# Altium PCB ALCT_MEZ_SPARTAN6T.PcbDoc (part 11 of 12) (continued)
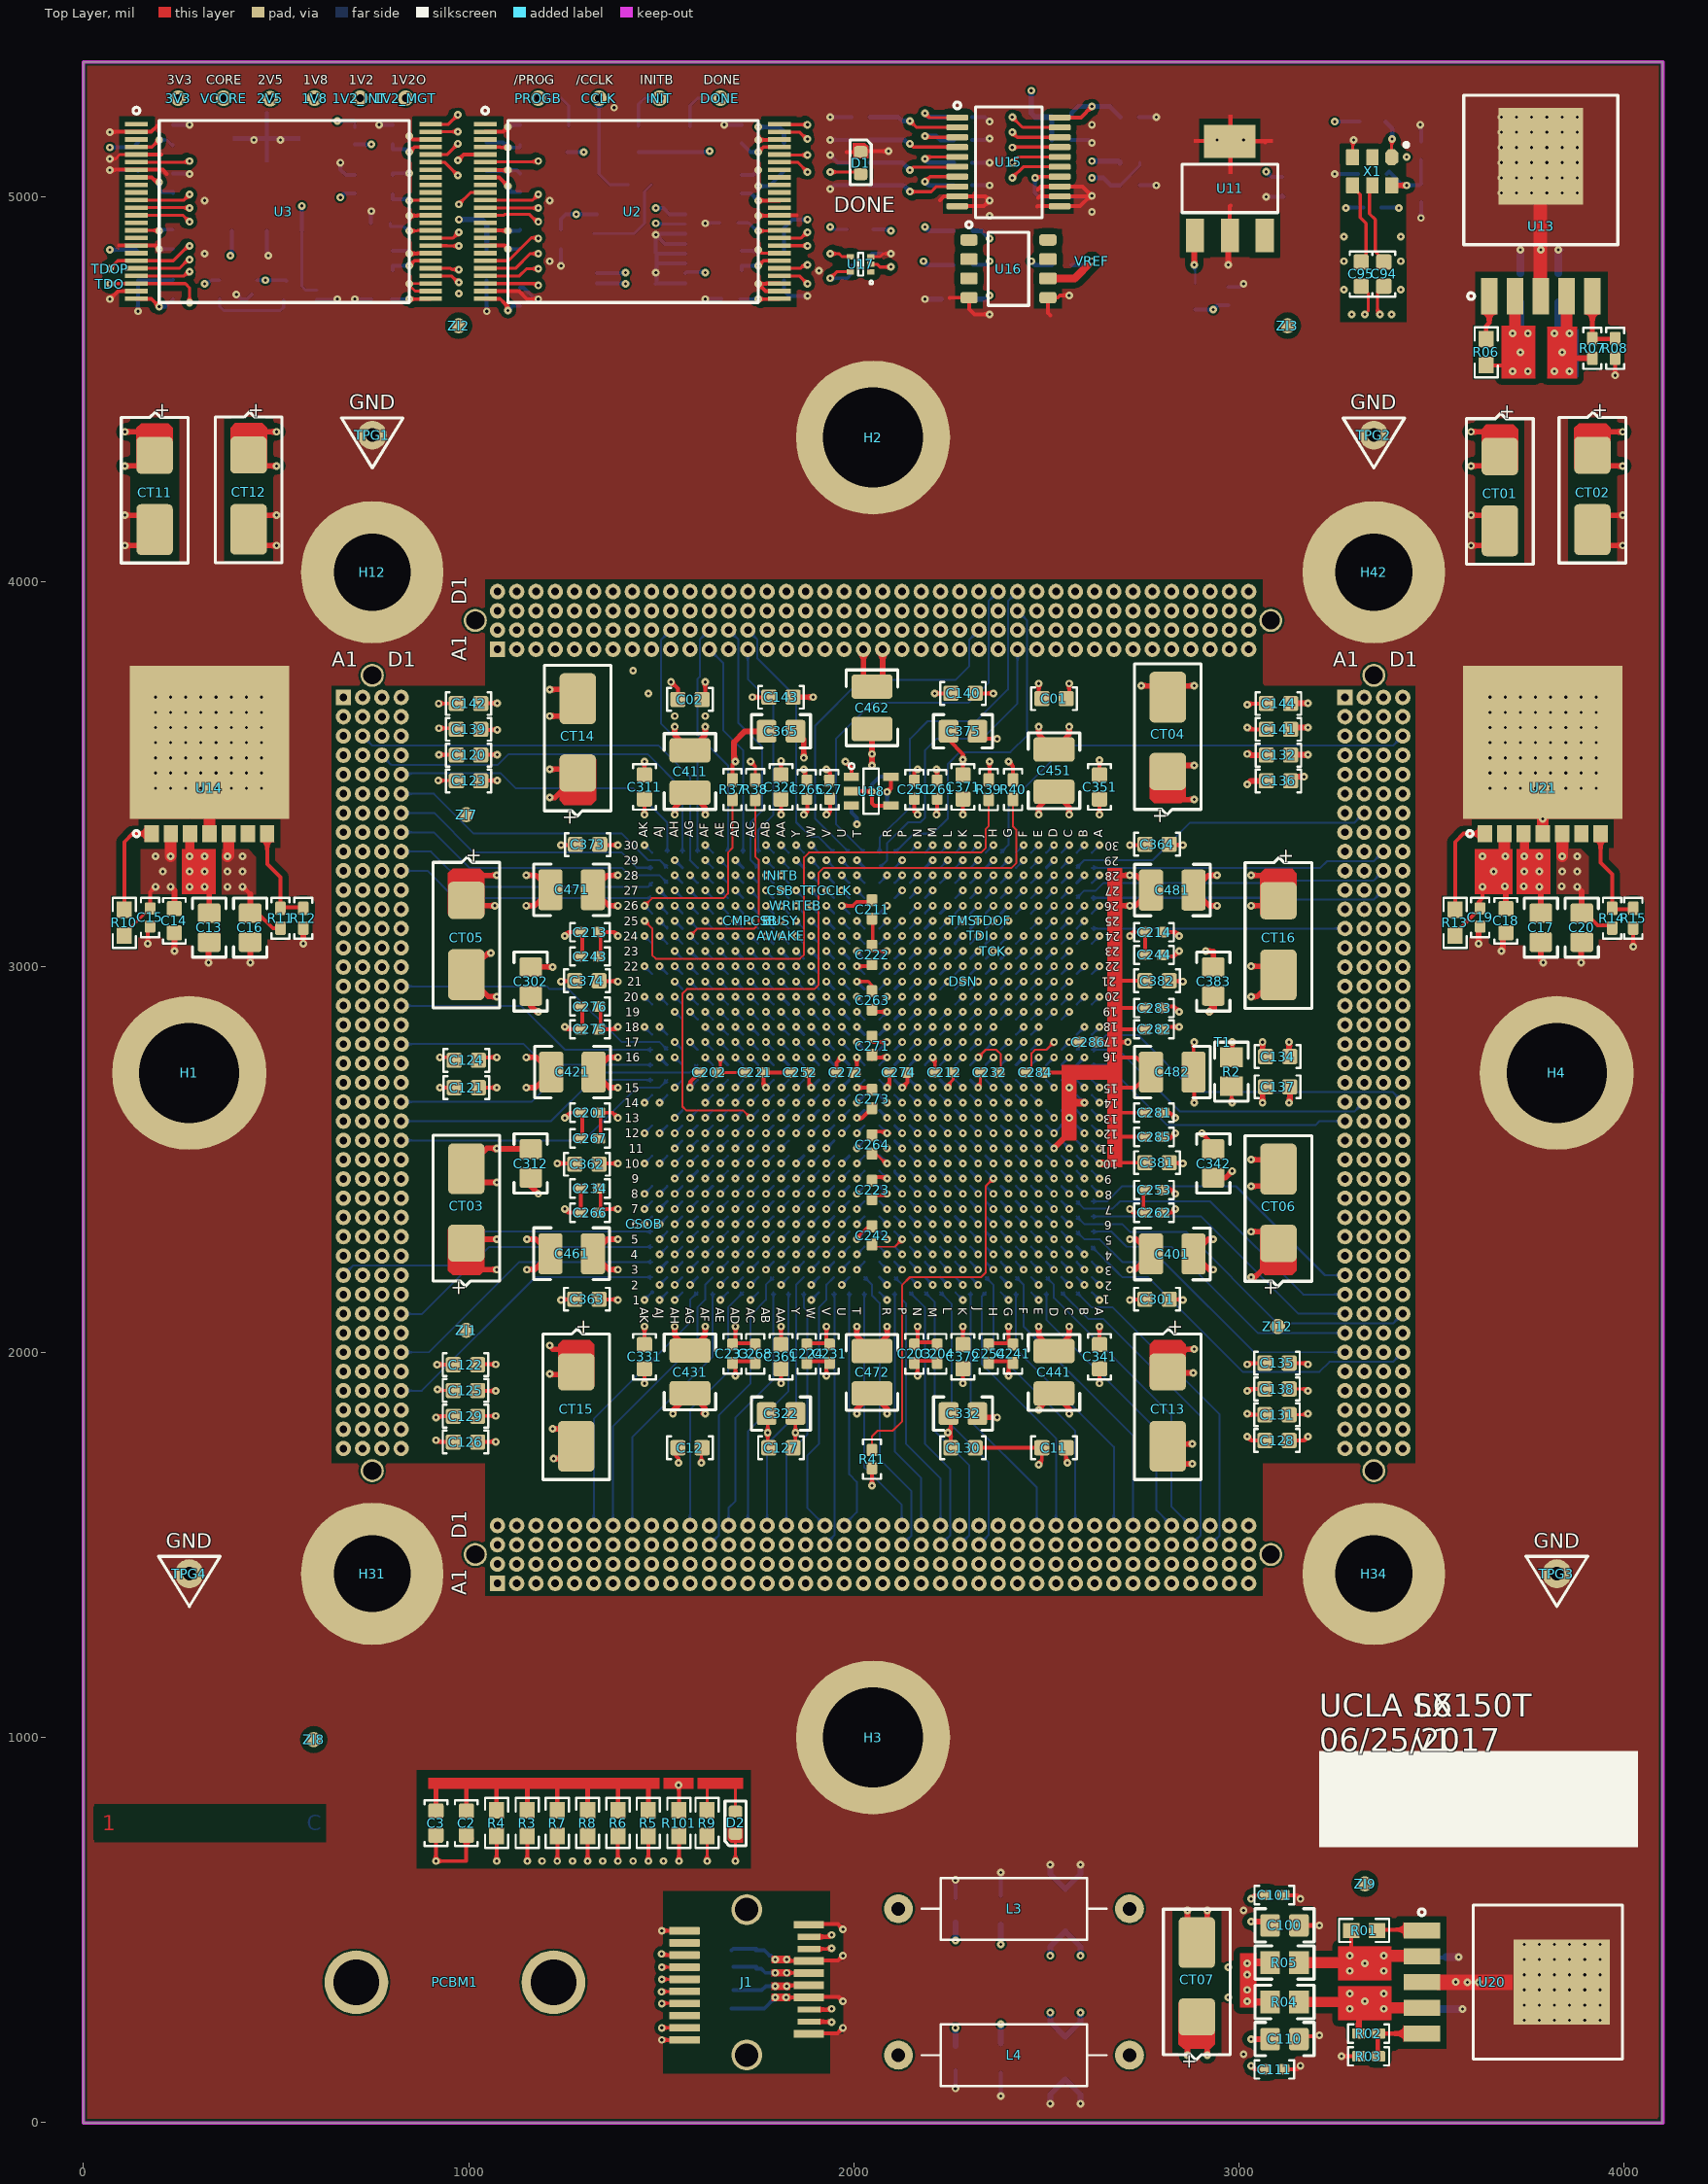
[diagram p0: Top Layer view]
## Nets (pads, with @x,y where several pads share a name; then routed paths per layer and width w, separated by ;. In a path a pad name is that pad's centre, name@x,y a point inside that pad or via, vN(x,y) a via of type N, cw(c..) or ccw(c..) an arc to the next point about the centre after c; other vN are vias at no path point) (continued)
XP4D_9: U1.G27 XP4.D9 | length 1276.2
  Mid-Layer 7 w5: v1(2401.58,3198.81) 2421.08,3179.31 3120.26,3179.31 3215.44,3274.5 3399.5,3274.5 XP4.D9@3425,3300 ; XP4.D9@3411.5,3300 cw(c3378.91,3300) 3401.95,3276.95 ; XP4.D9@3411.5,3300 cw(c3378.91,3300) 3401.96,3276.96 ; XP4.D9@3416.5,3300 cw(c3395.98,3300) 3410.49,3285.49 ; XP4.D9@3416.5,3300 cw(c3395.98,3300) 3410.49,3285.49 ; XP4.D9@3425,3286.5 ccw(c3425,3253.91) 3401.95,3276.95 ; XP4.D9@3425,3291.5 ccw(c3425,3270.98) 3410.49,3285.49 ; XP4.D9@3425,3286.5 ccw(c3425,3253.91) 3401.96,3276.96 ; XP4.D9@3425,3291.5 ccw(c3425,3270.98) 3410.49,3285.49
  Bottom Layer w6: U1.G27@2381.89,3179.13 v1(2401.58,3198.81)
XP4D_10: U1.F26 XP4.D10 | length 1232.6
  Mid-Layer 5 w5: v1(2440.94,3159.45) 2460.63,3139.76 3041.34,3139.76 3126.58,3225 3400,3225 XP4.D10@3425,3250 ; XP4.D10@3411.5,3250 cw(c3378.91,3250) 3401.95,3226.95 ; XP4.D10@3411.5,3250 cw(c3378.91,3250) 3401.96,3226.96 ; XP4.D10@3416.5,3250 cw(c3395.98,3250) 3410.49,3235.49 ; XP4.D10@3416.5,3250 cw(c3395.98,3250) 3410.49,3235.49 ; XP4.D10@3425,3236.5 ccw(c3425,3203.91) 3401.95,3226.95 ; XP4.D10@3425,3241.5 ccw(c3425,3220.98) 3410.49,3235.49 ; XP4.D10@3425,3236.5 ccw(c3425,3203.91) 3401.96,3226.96 ; XP4.D10@3425,3241.5 ccw(c3425,3220.98) 3410.49,3235.49
  Bottom Layer w6: U1.F26@2421.26,3139.76 v1(2440.94,3159.45)
XP4D_11: U1.D25 XP4.D11 | length 1149.4
  Mid-Layer 5 w5: v1(2519.69,3120.06) 2539.36,3100.39 3129.92,3100.39 3204.53,3175 3400,3175 XP4.D11@3425,3200 ; XP4.D11@3411.5,3200 cw(c3378.91,3200) 3401.95,3176.95 ; XP4.D11@3411.5,3200 cw(c3378.91,3200) 3401.96,3176.96 ; XP4.D11@3416.5,3200 cw(c3395.98,3200) 3410.49,3185.49 ; XP4.D11@3416.5,3200 cw(c3395.98,3200) 3410.49,3185.49 ; XP4.D11@3425,3186.5 ccw(c3425,3153.91) 3401.95,3176.95 ; XP4.D11@3425,3191.5 ccw(c3425,3170.98) 3410.49,3185.49 ; XP4.D11@3425,3186.5 ccw(c3425,3153.91) 3401.96,3176.96 ; XP4.D11@3425,3191.5 ccw(c3425,3170.98) 3410.49,3185.49
  Bottom Layer w6: U1.D25@2500,3100.39 v1(2519.69,3120.06)
XP4D_12: U1.C26 XP4.D12 | length 1198.3
  Mid-Layer 4 w5: v1(2559.06,3159.45) 2578.93,3139.58 2578.93,3128.16 2578.93,3072.62 2590.35,3061.2 3121.43,3061.2 3235.24,3175 3400,3175 XP4.D12@3425,3150 XP4.D12@3425.2,3149.8 ; XP4.D12@3411.5,3150 ccw(c3378.91,3150) 3401.95,3173.05 ccw(c3425,3196.09) XP4.D12@3425,3163.5 ; XP4.D12@3411.5,3150 ccw(c3378.91,3150) 3401.96,3173.04 ccw(c3425,3196.09) XP4.D12@3425,3163.5 ; XP4.D12@3416.5,3150 ccw(c3395.98,3150) 3410.49,3164.51 ; XP4.D12@3416.5,3150 ccw(c3395.98,3150) 3410.49,3164.51 ; XP4.D12@3425,3158.5 cw(c3425,3179.02) 3410.49,3164.51 ; XP4.D12@3425,3158.5 cw(c3425,3179.02) 3410.49,3164.51
  Bottom Layer w6: U1.C26@2539.38,3139.76 v1(2559.06,3159.45)
XP4D_13: U1.K20 XP4.D13 | length 1488.1
  Mid-Layer 5 w5: v1(2283.47,2923.19) 2263.98,2942.68 2263.98,3010.04 2275.59,3021.65 2332.49,3021.65 2332.68,3021.46 2982.28,3021.46 2982.47,3021.65 3145.47,3021.65 3198.82,3075 3400,3075 XP4.D13@3425,3100 ; XP4.D13@3411.5,3100 cw(c3378.91,3100) 3401.95,3076.95 ; XP4.D13@3411.5,3100 cw(c3378.91,3100) 3401.96,3076.96 ; XP4.D13@3416.5,3100 cw(c3395.98,3100) 3410.49,3085.49 ; XP4.D13@3416.5,3100 cw(c3395.98,3100) 3410.49,3085.49 ; XP4.D13@3425,3086.5 ccw(c3425,3053.91) 3401.95,3076.95 ; XP4.D13@3425,3091.5 ccw(c3425,3070.98) 3410.49,3085.49 ; XP4.D13@3425,3086.5 ccw(c3425,3053.91) 3401.96,3076.96 ; XP4.D13@3425,3091.5 ccw(c3425,3070.98) 3410.49,3085.49
  Bottom Layer w6: U1.K20@2263.79,2903.51 v1(2283.47,2923.19)
XP4D_14: U1.J19 XP4.D14 | length 1381.8
  Mid-Layer 5 w5: v1(2322.84,2883.84) 2342.34,2903.34 2342.34,2930.9 2354.35,2942.91 3165.94,2942.91 3248.03,3025 3400,3025 XP4.D14@3425,3050 ; XP4.D14@3411.5,3050 cw(c3378.91,3050) 3401.95,3026.95 ; XP4.D14@3411.5,3050 cw(c3378.91,3050) 3401.96,3026.96 ; XP4.D14@3416.5,3050 cw(c3395.98,3050) 3410.49,3035.49 ; XP4.D14@3416.5,3050 cw(c3395.98,3050) 3410.49,3035.49 ; XP4.D14@3425,3036.5 ccw(c3425,3003.91) 3401.95,3026.95 ; XP4.D14@3425,3041.5 ccw(c3425,3020.98) 3410.49,3035.49 ; XP4.D14@3425,3036.5 ccw(c3425,3003.91) 3401.96,3026.96 ; XP4.D14@3425,3041.5 ccw(c3425,3020.98) 3410.49,3035.49
  Bottom Layer w6: U1.J19@2303.15,2864.17 v1(2322.84,2883.84)
XP4D_15: U1.G19 XP4.D15 | length 1266.2
  Mid-Layer 5 w5: v1(2401.57,2883.84) 2421.28,2903.54 3186.42,2903.54 3257.87,2975 3400,2975 XP4.D15@3425,3000 ; XP4.D15@3411.5,3000 cw(c3378.91,3000) 3401.95,2976.95 ; XP4.D15@3411.5,3000 cw(c3378.91,3000) 3401.96,2976.96 ; XP4.D15@3416.5,3000 cw(c3395.98,3000) 3410.49,2985.49 ; XP4.D15@3416.5,3000 cw(c3395.98,3000) 3410.49,2985.49 ; XP4.D15@3425,2986.5 ccw(c3425,2953.91) 3401.95,2976.95 ; XP4.D15@3425,2991.5 ccw(c3425,2970.98) 3410.49,2985.49 ; XP4.D15@3425,2986.5 ccw(c3425,2953.91) 3401.96,2976.96 ; XP4.D15@3425,2991.5 ccw(c3425,2970.98) 3410.49,2985.49
  Bottom Layer w6: U1.G19@2381.89,2864.17 v1(2401.57,2883.84)
XP4D_16: U1.G21 XP4.D16 | length 1260.2
  Mid-Layer 2 w5: v1(2401.58,2962.6) 2404.11,2962.6 2423.62,2982.1 3130.1,2982.1 3187.2,2925 3400,2925 XP4.D16@3425,2950 ; XP4.D16@3411.5,2950 cw(c3378.91,2950) 3401.95,2926.95 ; XP4.D16@3411.5,2950 cw(c3378.91,2950) 3401.96,2926.96 ; XP4.D16@3416.5,2950 cw(c3395.98,2950) 3410.49,2935.49 ; XP4.D16@3416.5,2950 cw(c3395.98,2950) 3410.49,2935.49 ; XP4.D16@3425,2936.5 ccw(c3425,2903.91) 3401.95,2926.95 ; XP4.D16@3425,2941.5 ccw(c3425,2920.98) 3410.49,2935.49 ; XP4.D16@3425,2936.5 ccw(c3425,2903.91) 3401.96,2926.96 ; XP4.D16@3425,2941.5 ccw(c3425,2920.98) 3410.49,2935.49
  Bottom Layer w6: U1.G21@2381.89,2942.91 v1(2401.58,2962.6)
XP4D_17: U1.H18 XP4.D17 | length 1280.5
  Mid-Layer 5 w5: v1(2362.21,2844.48) 2381.91,2864.17 3218.5,2864.17 3229.33,2875 3400,2875 XP4.D17@3425,2900 ; XP4.D17@3411.5,2900 cw(c3378.91,2900) 3401.95,2876.95 ; XP4.D17@3411.5,2900 cw(c3378.91,2900) 3401.96,2876.96 ; XP4.D17@3416.5,2900 cw(c3395.98,2900) 3410.49,2885.49 ; XP4.D17@3416.5,2900 cw(c3395.98,2900) 3410.49,2885.49 ; XP4.D17@3425,2886.5 ccw(c3425,2853.91) 3401.95,2876.95 ; XP4.D17@3425,2891.5 ccw(c3425,2870.98) 3410.49,2885.49 ; XP4.D17@3425,2886.5 ccw(c3425,2853.91) 3401.96,2876.96 ; XP4.D17@3425,2891.5 ccw(c3425,2870.98) 3410.49,2885.49
  Bottom Layer w6: U1.H18@2342.52,2824.8 v1(2362.21,2844.48)
XP4D_18: U1.K17 XP4.D18 | length 1354.8
  Mid-Layer 5 w5: v1(2283.48,2805.11) 2302.98,2824.61 2606.14,2824.61 2606.33,2824.8 2873.83,2824.8 2874.02,2824.99 3208.15,2824.99 3208.66,2825.5 3400.5,2825.5 XP4.D18@3425,2850 ; XP4.D18@3411.5,2850 cw(c3378.91,2850) 3401.95,2826.95 ; XP4.D18@3411.5,2850 cw(c3378.91,2850) 3401.96,2826.96 ; XP4.D18@3416.5,2850 cw(c3395.98,2850) 3410.49,2835.49 ; XP4.D18@3416.5,2850 cw(c3395.98,2850) 3410.49,2835.49 ; XP4.D18@3425,2836.5 ccw(c3425,2803.91) 3401.95,2826.95 ; XP4.D18@3425,2841.5 ccw(c3425,2820.98) 3410.49,2835.49 ; XP4.D18@3425,2836.5 ccw(c3425,2803.91) 3401.96,2826.96 ; XP4.D18@3425,2841.5 ccw(c3425,2820.98) 3410.49,2835.49
  Bottom Layer w6: U1.K17@2263.78,2785.43 v1(2283.48,2805.11)
XP4D_19: U1.D16 XP4.D19 | length 1281.9
  Mid-Layer 7 w5: v1(2519.69,2765.75) 2500.19,2785.25 2500.19,2844.68 2519.5,2863.99 2736.22,2863.99 2785.62,2913.39 2972.44,2913.39 3041.34,2844.49 3131.29,2844.49 3150.78,2825 3400,2825 XP4.D19@3425,2800 ; XP4.D19@3411.5,2800 ccw(c3378.91,2800) 3401.95,2823.05 ccw(c3425,2846.09) XP4.D19@3425,2813.5 ; XP4.D19@3411.5,2800 ccw(c3378.91,2800) 3401.96,2823.04 ccw(c3425,2846.09) XP4.D19@3425,2813.5 ; XP4.D19@3416.5,2800 ccw(c3395.98,2800) 3410.49,2814.51 ; XP4.D19@3416.5,2800 ccw(c3395.98,2800) 3410.49,2814.51 ; XP4.D19@3425,2808.5 cw(c3425,2829.02) 3410.49,2814.51 ; XP4.D19@3425,2808.5 cw(c3425,2829.02) 3410.49,2814.51
  Bottom Layer w6: U1.D16@2500,2746.06 v1(2519.69,2765.75)
XP4D_22: U1.B17 XP4.D22 | length 1125
  Bottom Layer w5: U1.B17@2578.74,2785.43 2598.43,2805.12 2637.8,2805.12 2656.3,2823.62 2737.41,2823.62 2885.52,2675.5 3399.5,2675.5 3400,2675 XP4.D22@3425,2650 ; U1.B17@2578.74,2791.79 ccw(c2578.74,2807.14) 2589.59,2796.29 ccw(c2600.45,2785.43) U1.B17@2585.1,2785.43 ; XP4.D22@3411.5,2650 ccw(c3378.9,2650) 3401.95,2673.05 ccw(c3425,2696.09) XP4.D22@3425,2663.5 ; XP4.D22@3411.5,2650 ccw(c3378.91,2650) 3401.96,2673.04 ccw(c3425,2696.09) XP4.D22@3425,2663.5 ; XP4.D22@3416.5,2650 ccw(c3395.98,2650) 3410.49,2664.51 ; XP4.D22@3416.5,2650 ccw(c3395.98,2650) 3410.49,2664.51 ; XP4.D22@3425,2658.5 cw(c3425,2679.02) 3410.49,2664.51 ; XP4.D22@3425,2658.5 cw(c3425,2679.02) 3410.49,2664.51
XP4D_23: U1.L11 XP4.D23 | length 1689.7
  Mid-Layer 5 w5: v1(2244.09,2529.53) 2263.98,2549.41 2263.98,2773.82 2275.4,2785.25 2550.98,2785.25 3041.51,2785.25 3201.25,2625.5 3399.5,2625.5 XP4.D23@3425,2600 ; XP4.D23@3411.5,2600 ccw(c3378.91,2600) 3401.95,2623.05 ccw(c3425,2646.09) XP4.D23@3425,2613.5 ; XP4.D23@3411.5,2600 ccw(c3378.91,2600) 3401.96,2623.04 ccw(c3425,2646.09) XP4.D23@3425,2613.5 ; XP4.D23@3416.5,2600 ccw(c3395.98,2600) 3410.49,2614.51 ; XP4.D23@3416.5,2600 ccw(c3395.98,2600) 3410.49,2614.51 ; XP4.D23@3425,2608.5 cw(c3425,2629.02) 3410.49,2614.51 ; XP4.D23@3425,2608.5 cw(c3425,2629.02) 3410.49,2614.51
  Bottom Layer w6: U1.L11@2224.41,2549.21 v1(2244.09,2529.53)
XP4D_24: U1.L13 XP4.D24 | length 1457.9
  Mid-Layer 1 w5: v1(2244.09,2608.26) 2263.83,2628 2440.94,2628 2441.07,2628.13 2449.02,2628.13 2460.44,2639.55 2460.44,2655.32 2472.25,2667.13 2499.8,2667.13 2500,2667.32 2992.13,2667.32 3084.45,2575 3400,2575 XP4.D24@3425,2550 ; XP4.D24@3411.5,2550 ccw(c3378.91,2550) 3401.95,2573.05 ccw(c3425,2596.09) XP4.D24@3425,2563.5 ; XP4.D24@3411.5,2550 ccw(c3378.91,2550) 3401.96,2573.04 ccw(c3425,2596.09) XP4.D24@3425,2563.5 ; XP4.D24@3416.5,2550 ccw(c3395.98,2550) 3410.49,2564.51 ; XP4.D24@3416.5,2550 ccw(c3395.98,2550) 3410.49,2564.51 ; XP4.D24@3425,2558.5 cw(c3425,2579.02) 3410.49,2564.51 ; XP4.D24@3425,2558.5 cw(c3425,2579.02) 3410.49,2564.51
  Bottom Layer w6: U1.L13@2224.41,2627.95 v1(2244.09,2608.26)
XP4D_25: U1.G15 XP4.D25 | length 1367.7
  Mid-Layer 5 w5: v1(2401.57,2686.99) 2401.57,2726.38 2421.26,2746.06 3003.92,2746.06 3225.48,2524.5 3400.7,2524.5 3425,2500.2 XP4.D25@3425,2500 ; 3410.34,2514.85 cw(c3395.49,2500) XP4.D25@3416.5,2500 ; 3410.36,2514.84 cw(c3395.52,2500) XP4.D25@3416.5,2500 ; XP4.D25@3411.5,2500 ccw(c3378.42,2500) 3401.81,2523.39 cw(c3378.45,2500) XP4.D25@3411.5,2500 ; XP4.D25@3425,2508.5 cw(c3425,2528.53) 3410.83,2514.37 ccw(c3425,2528.55) XP4.D25@3425,2508.5 ; XP4.D25@3425,2513.5 cw(c3425,2545.61) 3402.29,2522.9 ccw(c3425,2545.63) XP4.D25@3425,2513.5
  Bottom Layer w6: U1.G15@2381.89,2706.69 v1@2401.56,2687.01
XP4D_26: U1.B15 XP4.D26 | length 1138.8
  Mid-Layer 4 w5: v1(2598.43,2687.01) 2617.93,2667.51 2932.89,2667.51 3174.89,2425.5 3400.5,2425.5 XP4.D26@3425,2450 ; XP4.D26@3411.5,2450 cw(c3378.91,2450) 3401.95,2426.95 ; XP4.D26@3411.5,2450 cw(c3378.91,2450) 3401.96,2426.96 ; XP4.D26@3416.5,2450 cw(c3395.98,2450) 3410.49,2435.49 ; XP4.D26@3416.5,2450 cw(c3395.98,2450) 3410.49,2435.49 ; XP4.D26@3425,2436.5 ccw(c3425,2403.91) 3401.95,2426.95 ; XP4.D26@3425,2441.5 ccw(c3425,2420.98) 3410.49,2435.49 ; XP4.D26@3425,2436.5 ccw(c3425,2403.91) 3401.96,2426.96 ; XP4.D26@3425,2441.5 ccw(c3425,2420.98) 3410.49,2435.49
  Bottom Layer w6: U1.B15@2578.74,2706.69 v1@2597.74,2687.68
XP4D_27: U1.E15 XP4.D27 | length 1292.2
  Mid-Layer 5 w5: v1(2480.33,2686.99) 2480.33,2706.71 2490.16,2716.54 2952.58,2716.54 3243.61,2425.5 3401.27,2425.5 ; 3404.98,2421.79 ccw(c3425,2441.8) XP4.D27@3425,2413.5 ; 3404.98,2421.8 ccw(c3425,2441.82) XP4.D27@3425,2413.5 ; XP4.D27@3411.5,2400.22 ccw(c3376.57,2400.8) 3401.27,2425.5 ; XP4.D27@3411.51,2400.22 ccw(c3376.56,2400.78) 3401.27,2425.5 ; XP4.D27@3416.5,2400.14 ccw(c3392.98,2400.53) 3409.61,2417.16 cw(c3392.98,2400.52) XP4.D27@3416.51,2400.14 ; XP4.D27@3425,2408.5 cw(c3425,2424.73) 3413.52,2413.25 ccw(c3425,2424.75) XP4.D27@3425,2408.5 ; XP4.D27@3425,2400 3425,2401.77 3401.27,2425.5
  Bottom Layer w6: U1.E15@2460.63,2706.69 v1(2480.33,2686.99)
XP4D_28: U1.F15 XP4.D28 | length 1319.9
  Mid-Layer 4 w5: v1(2440.94,2686.99) 2460.62,2667.32 2460.62,2657.49 2460.83,2657.28 2460.83,2639.55 2472.25,2628.13 2489.98,2628.13 2490.16,2627.95 2875.97,2627.95 3129.42,2374.5 3403.06,2374.5 ; XP4.D28@3411.55,2351.18 ccw(c3382.3,2353.74) 3403.06,2374.5 ; XP4.D28@3411.56,2351.17 ccw(c3382.28,2353.72) 3403.06,2374.5 ; XP4.D28@3425,2358.5 cw(c3425,2372.83) 3414.86,2362.7 ccw(c3425,2372.85) XP4.D28@3425,2358.5 ; XP4.D28@3425,2363.5 cw(c3425,2389.9) 3406.33,2371.23 ccw(c3425,2389.92) XP4.D28@3425,2363.5 ; XP4.D28@3425,2350 3425,2352.56 3403.06,2374.5 ; 3410.65,2366.91 cw(c3396.24,2352.51) 3416.54,2350.74 ccw(c3396.24,2352.52) 3410.64,2366.92
  Bottom Layer w6: U1.F15@2421.26,2706.69 v1(2440.94,2686.99)
XP4D_29: U1.H13 XP4.D29 | length 1422
  Mid-Layer 5 w5: v1(2362.21,2608.26) 2381.73,2627.78 2874.19,2627.78 3226.97,2275 3400,2275 XP4.D29@3425,2300 ; XP4.D29@3411.5,2300 cw(c3378.91,2300) 3401.95,2276.95 ; XP4.D29@3411.5,2300 cw(c3378.91,2300) 3401.96,2276.96 ; XP4.D29@3416.5,2300 cw(c3395.98,2300) 3410.49,2285.49 ; XP4.D29@3416.5,2300 cw(c3395.98,2300) 3410.49,2285.49 ; XP4.D29@3425,2286.5 ccw(c3425,2253.91) 3401.95,2276.95 ; XP4.D29@3425,2291.5 ccw(c3425,2270.98) 3410.49,2285.49 ; XP4.D29@3425,2286.5 ccw(c3425,2253.91) 3401.96,2276.96 ; XP4.D29@3425,2291.5 ccw(c3425,2270.98) 3410.49,2285.49
  Bottom Layer w6: U1.H13@2342.52,2627.95 v1(2362.21,2608.26)
XP4D_30: U1.F11 XP4.D30 | length 1315.2
  Mid-Layer 4 w5: v1(2440.94,2529.53) 2460.81,2509.66 2805.3,2509.66 3089.87,2225.09 3400.09,2225.09 XP4.D30@3425,2250 ; XP4.D30@3411.5,2250 cw(c3378.91,2250) 3401.95,2226.95 ; XP4.D30@3411.5,2250 cw(c3378.91,2250) 3401.96,2226.96 ; XP4.D30@3416.5,2250 cw(c3395.98,2250) 3410.49,2235.49 ; XP4.D30@3416.5,2250 cw(c3395.98,2250) 3410.49,2235.49 ; XP4.D30@3425,2236.5 ccw(c3425,2203.91) 3401.95,2226.95 ; XP4.D30@3425,2241.5 ccw(c3425,2220.98) 3410.49,2235.49 ; XP4.D30@3425,2236.5 ccw(c3425,2203.91) 3401.96,2226.96 ; XP4.D30@3425,2241.5 ccw(c3425,2220.98) 3410.49,2235.49
  Bottom Layer w6: U1.F11@2421.26,2549.21 v1(2440.94,2529.53)
XP4D_31: U1.J12 XP4.D31 | length 1486.5
  Mid-Layer 5 w5: v1(2322.84,2568.89) 2342.35,2588.4 2787.57,2588.4 3200.97,2175 3400,2175 XP4.D31@3425,2200 ; XP4.D31@3411.5,2200 cw(c3378.91,2200) 3401.95,2176.95 ; XP4.D31@3411.5,2200 cw(c3378.91,2200) 3401.96,2176.96 ; XP4.D31@3416.5,2200 cw(c3395.98,2200) 3410.49,2185.49 ; XP4.D31@3416.5,2200 cw(c3395.98,2200) 3410.49,2185.49 ; XP4.D31@3425,2186.5 ccw(c3425,2153.91) 3401.95,2176.95 ; XP4.D31@3425,2191.5 ccw(c3425,2170.98) 3410.49,2185.49 ; XP4.D31@3425,2186.5 ccw(c3425,2153.91) 3401.96,2176.96 ; XP4.D31@3425,2191.5 ccw(c3425,2170.98) 3410.49,2185.49
  Bottom Layer w6: U1.J12@2303.15,2588.58 v1(2322.84,2568.89)
XP4D_32: U1.H12 XP4.D32 | length 1451.7
  Mid-Layer 5 w5: v1(2362.21,2568.89) 2382.08,2549.03 2726.56,2549.03 3150.59,2125 3400,2125 XP4.D32@3425,2150 ; XP4.D32@3411.5,2150 cw(c3378.91,2150) 3401.95,2126.95 ; XP4.D32@3411.5,2150 cw(c3378.91,2150) 3401.96,2126.96 ; XP4.D32@3416.5,2150 cw(c3395.98,2150) 3410.49,2135.49 ; XP4.D32@3416.5,2150 cw(c3395.98,2150) 3410.49,2135.49 ; XP4.D32@3425,2136.5 ccw(c3425,2103.91) 3401.95,2126.95 ; XP4.D32@3425,2141.5 ccw(c3425,2120.98) 3410.49,2135.49 ; XP4.D32@3425,2136.5 ccw(c3425,2103.91) 3401.96,2126.96 ; XP4.D32@3425,2141.5 ccw(c3425,2120.98) 3410.49,2135.49
  Bottom Layer w6: U1.H12@2342.52,2588.58 v1(2362.21,2568.89)
XP4D_33: U1.B6 XP4.D33 | length 1162.5
  Bottom Layer w5: U1.B6@2578.74,2346 cw(c2578.74,2330.65) 2589.59,2341.51 cw(c2600.45,2352.36) U1.B6@2585.1,2352.36 ; U1.B6@2578.74,2352.36 2598.43,2332.68 2696.85,2332.68 2716.72,2312.81 2862.41,2312.81 3100.21,2075 3400,2075 XP4.D33@3425,2100 ; XP4.D33@3411.5,2100 cw(c3378.9,2100) 3401.95,2076.95 ; XP4.D33@3411.5,2100 cw(c3378.91,2100) 3401.96,2076.96 ; XP4.D33@3416.5,2100 cw(c3395.98,2100) 3410.49,2085.49 ; XP4.D33@3416.5,2100 cw(c3395.98,2100) 3410.49,2085.49 ; XP4.D33@3425,2086.5 ccw(c3425,2053.91) 3401.95,2076.95 ; XP4.D33@3425,2091.5 ccw(c3425,2070.98) 3410.49,2085.49 ; XP4.D33@3425,2086.5 ccw(c3425,2053.91) 3401.96,2076.96 ; XP4.D33@3425,2091.5 ccw(c3425,2070.98) 3410.49,2085.49
XP4D_34: U1.H11 XP4.D34 | length 1476.8
  Mid-Layer 5 w5: v1(2362.21,2529.53) 2381.71,2510.03 2665.19,2510.03 3150.21,2025 3400,2025 XP4.D34@3425,2050 ; XP4.D34@3411.5,2050 cw(c3378.91,2050) 3401.95,2026.95 ; XP4.D34@3411.5,2050 cw(c3378.91,2050) 3401.96,2026.96 ; XP4.D34@3416.5,2050 cw(c3395.98,2050) 3410.49,2035.49 ; XP4.D34@3416.5,2050 cw(c3395.98,2050) 3410.49,2035.49 ; XP4.D34@3425,2036.5 ccw(c3425,2003.91) 3401.95,2026.95 ; XP4.D34@3425,2041.5 ccw(c3425,2020.98) 3410.49,2035.49 ; XP4.D34@3425,2036.5 ccw(c3425,2003.91) 3401.96,2026.96 ; XP4.D34@3425,2041.5 ccw(c3425,2020.98) 3410.49,2035.49
  Bottom Layer w6: U1.H11@2342.52,2549.21 v1(2362.21,2529.53)
XP4D_35: U1.A4 XP4.D35 | length 1151.5
  Bottom Layer w5: 2687.01,2204.72 2696.67,2195.07 2763.61,2195.07 3009.68,1949 3208.85,1949 3234.84,1975 3400,1975 XP4.D35@3425,2000 ; XP4.D35@3411.5,2000 cw(c3378.9,2000) 3401.95,1976.95 ; XP4.D35@3411.5,2000 cw(c3378.91,2000) 3401.96,1976.96 ; XP4.D35@3416.5,2000 cw(c3395.98,2000) 3410.49,1985.49 ; XP4.D35@3416.5,2000 cw(c3395.98,2000) 3410.49,1985.49 ; XP4.D35@3425,1986.5 ccw(c3425,1953.91) 3401.95,1976.95 ; XP4.D35@3425,1991.5 ccw(c3425,1970.98) 3410.49,1985.49 ; XP4.D35@3425,1986.5 ccw(c3425,1953.91) 3401.96,1976.96 ; XP4.D35@3425,1991.5 ccw(c3425,1970.98) 3410.49,1985.49
  Bottom Layer w6: U1.A4@2618.11,2267.76 cw(c2618.11,2253.62) 2628.11,2263.62 cw(c2638.11,2273.62) U1.A4@2623.97,2273.62 ; U1.A4@2618.11,2273.62 2687.01,2204.72
XP4D_36: U1.E9 XP4.D36 | length 1497.5
  Mid-Layer 5 w5: v1(2480.33,2450.78) 2500,2431.11 2500,2175.2 2687.01,1988.19 3188.98,1988.19 3202.17,1975 3400,1975 XP4.D36@3425,1950 ; XP4.D36@3411.5,1950 ccw(c3378.91,1950) 3401.95,1973.05 ccw(c3425,1996.09) XP4.D36@3425,1963.5 ; XP4.D36@3411.5,1950 ccw(c3378.91,1950) 3401.96,1973.04 ccw(c3425,1996.09) XP4.D36@3425,1963.5 ; XP4.D36@3416.5,1950 ccw(c3395.98,1950) 3410.49,1964.51 ; XP4.D36@3416.5,1950 ccw(c3395.98,1950) 3410.49,1964.51 ; XP4.D36@3424.41,1949.41 XP4.D36@3425,1948.82 ; XP4.D36@3425,1958.5 cw(c3425,1979.02) 3410.49,1964.51 ; XP4.D36@3425,1958.5 cw(c3425,1979.02) 3410.49,1964.51
  Bottom Layer w6: U1.E9@2460.63,2470.47 v1(2480.33,2450.78)
XP4D_37: U1.B3 XP4.D37 | length 1188.8
  Mid-Layer 4 w5: v1(2598.43,2214.57) 2617.93,2234.07 2805.3,2234.07 3164.87,1874.5 3399.5,1874.5 XP4.D37@3425,1900 ; XP4.D37@3411.5,1900 cw(c3378.91,1900) 3401.95,1876.95 ; XP4.D37@3411.5,1900 cw(c3378.91,1900) 3401.96,1876.96 ; XP4.D37@3416.5,1900 cw(c3395.98,1900) 3410.49,1885.49 ; XP4.D37@3416.5,1900 cw(c3395.98,1900) 3410.49,1885.49 ; XP4.D37@3425,1886.5 ccw(c3425,1853.91) 3401.95,1876.95 ; XP4.D37@3425,1891.5 ccw(c3425,1870.98) 3410.49,1885.49 ; XP4.D37@3425,1886.5 ccw(c3425,1853.91) 3401.96,1876.96 ; XP4.D37@3425,1891.5 ccw(c3425,1870.98) 3410.49,1885.49
  Bottom Layer w6: U1.B3@2578.74,2234.25 v1(2598.43,2214.57)
XP4D_38: U1.F8 XP4.D38 | length 1565.8
  Mid-Layer 5 w5: v1(2440.94,2411.41) 2460.83,2391.53 2460.83,2143.92 2460.82,2127.75 2713.57,1875 3400,1875 XP4.D38@3425,1850 ; XP4.D38@3411.5,1850 ccw(c3378.91,1850) 3401.95,1873.05 ccw(c3425,1896.09) XP4.D38@3425,1863.5 ; XP4.D38@3411.5,1850 ccw(c3378.91,1850) 3401.96,1873.04 ccw(c3425,1896.09) XP4.D38@3425,1863.5 ; XP4.D38@3416.5,1850 ccw(c3395.98,1850) 3410.49,1864.51 ; XP4.D38@3416.5,1850 ccw(c3395.98,1850) 3410.49,1864.51 ; XP4.D38@3425,1858.5 cw(c3425,1879.02) 3410.49,1864.51 ; XP4.D38@3425,1858.5 cw(c3425,1879.02) 3410.49,1864.51
  Bottom Layer w6: U1.F8@2421.26,2431.1 v1(2440.94,2411.41)
pads on no net: J1.2 J1.8 J1.21 PCBM1.1 PCBM1.2 U1.A19 U1.A21 U1.A23 U1.AG14 U1.AG18 U1.AH14 U1.AH18 U1.AJ9 U1.AJ11 U1.AJ13 U1.AJ19 U1.AJ21 U1.AJ23 U1.AK9 U1.AK11 U1.AK13 U1.AK19 U1.AK21 U1.AK23 U1.B19 U1.B21 U1.B23 U1.C14 U1.C18 U1.D14 U1.D18 U1.U11 U2.1 U2.3 U2.9 U2.14 U2.16 U2.18 U2.35 U2.37 U2.39 U2.40 U2.41 U2.42 U3.1 U3.3 U3.9 U3.10 U3.14 U3.16 U3.18 U3.35 U3.37 U3.39 U3.40 U3.41 U3.42 U4.11 U4.12 U4.13 U4.15 U6.1 U11.3 U14.6 U16.1 U16.2 U16.3 U16.7 U16.8 U17.1 U18.3 U19.3 U21.6 X1.2 XP1.MC1 XP1.MC2 XP2.A30 XP2.B6 XP2.B7 XP2.B8 XP2.C5 XP2.C6 XP2.C20 XP2.C21 XP2.C32 XP2.C33 XP2.D5 XP2.D6 XP2.D20 XP2.D30 XP2.D32 XP2.D33 XP2.D35 XP2.MC1 XP2.MC2 XP3.MC1 XP3.MC2 XP4.A10 XP4.MC1 XP4.MC2 ZI1.1 ZI2.1 ZI3.1 ZI4.1 ZI5.1 ZI6.1 ZI7.1 ZI8.1 ZI9.1 ZI10.1 ZI11.1 ZI12.1
copper on no net: | length 2992.1
  +1V2 w7.87: 5049.21,4232.28 5649.61,4232.28
  +3V3 w7.87: 5049.21,4429.13 5649.61,4429.13
  +1V8 w7.87: 5049.21,4035.43 5649.61,4035.43
  GND1 w7.87: 5049.21,3828.74 5649.61,3828.74
  GND2 w7.87: 5049.21,3631.89 5639.76,3631.89
  other v1: 2972.44,324.8 2972.44,403.54 3435.04,5103.35

## Polygon pours and split planes (outlines as drawn)
+1.2V_MGT on Mid-Layer 7 "+1.2V_MGT_L10_P086" (solid, remove dead copper, pour order 86): 1978.35,5078.74 1978.35,5287.39 899.27,5287.39 877.97,5266.08 877.97,5240.16 cw(c874.14,5240.12) 876.81,5237.36 857.13,5217.68 cw(c854.37,5220.39) 854.33,5216.52 814.96,5216.52 cw(c814.95,5220.47) 812.17,5217.68 800.36,5229.49 cw(c803.15,5232.28) 799.2,5232.28 799.2,5295.28 cw(c803.13,5295.28) 800.36,5298.07 831.85,5329.57 cw(c834.6,5326.82) 834.65,5330.72 2527.56,5330.72 cw(c2527.58,5326.89) 2530.35,5329.57 2573.66,5286.26 cw(c2571,5283.54) 2574.82,5283.46 2574.82,4979.32 2623.03,4931.1 3598.07,4931.1 3674.05,4855.16 cw(c3671.43,4852.43) 3675.21,4852.36 3675.21,4529.2 3704.74,4499.67 3700.79,3809.06 3631.89,3740.16 3631.89,3444.88 3651.57,3425.2 3858.27,3425.2 3907.48,3375.98 3907.48,3198.82 3887.8,3179.13 3828.74,3179.13 3809.06,3198.82 3809.05,3346.46 3799.21,3356.3 3592.52,3356.3 3553.15,3395.67 3553.15,3789.37 3631.89,3868.11 3631.89,4458.66 3592.52,4498.03 3592.52,4793.31 3533.46,4852.36 2578.74,4852.36 2500,4931.1 2501.62,5266.08 2472.43,5295.28 2037.4,5295.28 2037.4,5108.27 2057.09,5088.58 2155.51,5088.58 2165.35,5078.74 2165.35,5049.21 2155.51,5039.37 2037.4,5039.37 2017.72,5039.37
+2.5V_SFP on Mid-Layer 7 "+2.5V_SFP_L10_P085" (solid, remove dead copper, pour order 85): 2598.43,5078.74 2594.49,5082.68 2594.49,5102.36 2602.36,5110.24 2797.24,5110.24 2998.03,5311.02 4011.81,5311.02 4064.96,5257.87 4064.96,1043.31 3503.94,482.28 3503.94,295.28 3464.57,255.91 3257.87,255.91 3248.03,265.75 3248.03,354.33 3257.87,364.17 3405.51,364.17 3425.2,383.86 3425.2,551.18 3966.54,1092.52 3966.54,2568.9 4015.75,2618.11 4015.75,2824.8 3966.54,2874.02 3966.54,3799.21 3917.32,3848.43 3917.32,5220.47 3885.83,5251.97 3007.87,5251.97 2834.65,5078.74
+1.8V on Mid-Layer 2 "+1.8V_L04_P042" (solid, remove dead copper, pour order 42): 0,4649.61 0,5348.82 4100,5348.82 4100,4649.61
GND on Mid-Layer 2 "GND_L04_P083" (solid, remove dead copper, pour order 83): 0,700 3475,700 3475,-1.18 4098.18,-1.18 4100,728.35 4100,4645.67 0,4645.67
sfp_vcct2 on Mid-Layer 2 "SFP_VCCT2_L04_P077" (solid, remove dead copper, pour order 77): 1775.2,368.9 2618.11,368.9 2618.11,68.9 1844.09,68.9 1844.09,314.96 1844.09,345.28 1775.2,345.28
sfp_vcct on Mid-Layer 2 "SFP_VCCT_L04_P076" (solid, remove dead copper, pour order 76): 1775.2,400.39 1775.2,376.77 2618.11,376.77 2618.11,659.45 1844.09,659.45 1844.09,433.07 1844.09,400.39
+V_SFP on Mid-Layer 2 "+V_SFP_L04_P072" (solid, remove dead copper, pour order 72): 2650,659.45 2650,68.9 3042.52,68.9 3090.55,116.93 3090.55,609.06 3040.16,659.45
VTTOP on Mid-Layer 1 "VTTOP_L02_P087" (solid, remove dead copper, pour order 87): 1396.87,4576.01 1396.88,3671.26 1503.12,3671.26 1503.13,4544.46 1545.28,4586.61 2224.41,4586.61 2273.62,4635.83 2273.62,4812.99 2332.68,4872.05 2372.05,4872.05 2381.89,4881.89 2381.89,4911.42 2372.05,4921.26 2322.83,4921.26 2214.57,4812.99 2214.57,4714.57 2185.04,4685.04 1505.91,4685.04
VTBOT on Mid-Layer 1 "VTBOT_L02_P120" (solid, remove dead copper, pour order 120): 1546.88,4105.93 1589.57,4148.62 2155.51,4148.62 2376.97,4370.08 2376.97,4812.99 2342.52,4812.99 2332.68,4822.83 2332.68,4842.52 2342.52,4852.36 2440.94,4852.36 2440.95,4333.69 2185.33,4071.87 1680.14,4071.87 1653.12,4044.86 1653.12,3631.89 1515.75,3631.89 1515.75,3671.26 1546.88,3671.26
GND on Mid-Layer 1 "GND_L02_P122" (solid, remove dead copper, pour order 122): -0.01,-0.77 -0.01,4675.2 1043.3,4675.2 1043.3,3729.54 846.45,3729.55 649.6,3729.54 649.6,1721.67 846.45,1721.67 1043.31,1721.67 1043.31,1368.11 3051.17,1368.11 3051.17,1721.67 3257.87,1721.67 3454.72,1721.67 3454.72,3729.54 3061.02,3729.54 3061.02,4005.91 2490.16,4005.91 2490.16,5348.05 4095.66,5348.05 4099.99,5343.72 4094.48,5338.21 4094.48,-0.77
GND on Top Layer "GND_L01_P098" (solid, remove dead copper, pour order 98): 0,-1.18 4098.19,-1.19 4100,5350 0,5350
+1.2V_MGT on Top Layer "+1.2V_MGT_L01_P037" (solid, remove dead copper, pour order 37): 3818.9,3307.09 3818.9,3190.16 3907.48,3190.16 3907.48,3287.4 3887.8,3307.09
+3.3V on Top Layer "+3.3V_L01_P071" (solid, remove dead copper, pour order 71): 3395.67,457.48 3257.87,457.48 3257.87,368.9 3395.67,368.9
+2.5V_SFP on Top Layer "+2.5V_SFP_L01_P079" (solid, remove dead copper, pour order 79): 3257.87,354.33 3257.87,265.75 3395.67,265.75 3395.67,354.33
+3.3V on Top Layer "+3.3V_L01_P080" (solid, remove dead copper, pour order 80): 148.43,3189.57 246.06,3189.57 246.06,3306.5 148.42,3306.5
+1.2V on Top Layer "+1.2V_L01_P081" (solid, remove dead copper, pour order 81): 358.86,3305.91 358.86,3188.98 448.23,3188.98 448.23,3286.22 428.54,3305.91
+2.5V_SFP on Mid-Layer 4 "+2.5V_SFP_L06_P104" (solid, remove dead copper, pour order 104): 450.68,5221.36 437.9,5234.14 437.9,5317.04 455.51,5334.65 2509.84,5334.65 2564.07,5280.42 2564.07,5120.19 2570.97,5113.28 2630.03,5113.28 2642.81,5100.5 2642.81,5086.51 2630.03,5073.73 2547.14,5073.73 2509.84,5111.02 2509.84,5258.66 2483.07,5285.43 548.43,5285.43 536.51,5273.51 536.51,5234.14 523.73,5221.36
+1.2V_MGT on Mid-Layer 4 "+1.2V_MGT_L06_P033" (solid, remove dead copper, pour order 33): 2677.17,3267.72 2677.17,3110.24 2755.91,3110.24 2755.91,3154.53 2790.36,3188.98 3080.71,3188.98 3149.61,3257.87 3149.61,3720.47 3228.35,3799.21 3385.83,3799.21 3454.72,3730.31 3454.72,3001.97 3750,3001.97 3917.32,3169.29 3917.32,3326.77 3809.06,3326.77 3809.05,3188.98 3789.37,3169.29 3572.83,3169.29 3553.15,3188.98 3553.15,3779.53 3454.72,3877.95 3139.76,3877.95 3041.34,3779.53 3041.34,3347.12 2993.61,3297.24 2706.69,3297.24
GND on Mid-Layer 4 "GND_L06_P114" (solid, remove dead copper, pour order 114): 0,0 0,4862.2 836.61,4862.2 836.61,4281.5 1043.31,4074.8 1043.31,3730.31 846.46,3730.32 649.61,3730.31 649.61,1722.44 846.46,1722.44 1043.31,1722.44 1043.31,1368.11 3051.18,1368.11 3051.18,1722.44 3257.87,1722.44 3454.72,1722.44 3454.72,3887.8 3061.02,3887.8 3061.02,4000.98 2903.54,4000.98 2903.54,5348.82 4095.67,5348.82 4100,5344.49 4094.49,5338.98 4094.49,0
GND on Mid-Layer 5 "GND_L08_P116" (solid, remove dead copper, pour order 116): 0,2.19 0,4507.87 1043.31,4507.87 1043.31,3732.5 846.46,3732.5 649.61,3732.5 649.61,1722.44 1043.31,1722.44 1043.32,1368.11 3051.18,1368.11 3051.18,1722.44 3454.73,1722.44 3454.72,3732.5 3061.02,3732.5 3061.02,4005.91 2657.48,4005.91 2657.48,5351 4095.67,5351 4100,5346.67 4094.49,5341.16 4094.49,2.19
+1.2V on +1V2 "+1.2V_L05_P078" (solid, remove dead copper, pour order 78): 0,-1.18 4100,-1.18 4100,5350 0,5350
GND on Bottom Layer "GND_L12_P100" (solid, remove dead copper, pour order 100): 0,-1.18 4098.19,-1.19 4100,5350 0,5350
+VCORE on +1V8 "+VCORE_L07_P124" (solid, remove dead copper, pour order 124): 0,0 4100,0 4100,5350 0,5350
+3.3V on +3V3 "+3.3V_L03_P126" (solid, remove dead copper, pour order 126): 0,0 4100,0 4100,5350 0,5350
GND on GND1 "GND_L09_P128" (solid, remove dead copper, pour order 128): 0,-1.18 4100,-1.18 4100,5350 0,5350
GND on GND2 "GND_L11_P130" (solid, remove dead copper, pour order 130): 0,-1.18 4100,-1.18 4100,5350 0,5350

## Keep-outs
Keep-Out Layer:
  lines w10: 4100,-1.18 0,0 0,5350 4100,5350 4100,0